# KiCad board ecpbreaker.kicad_pcb (continued)
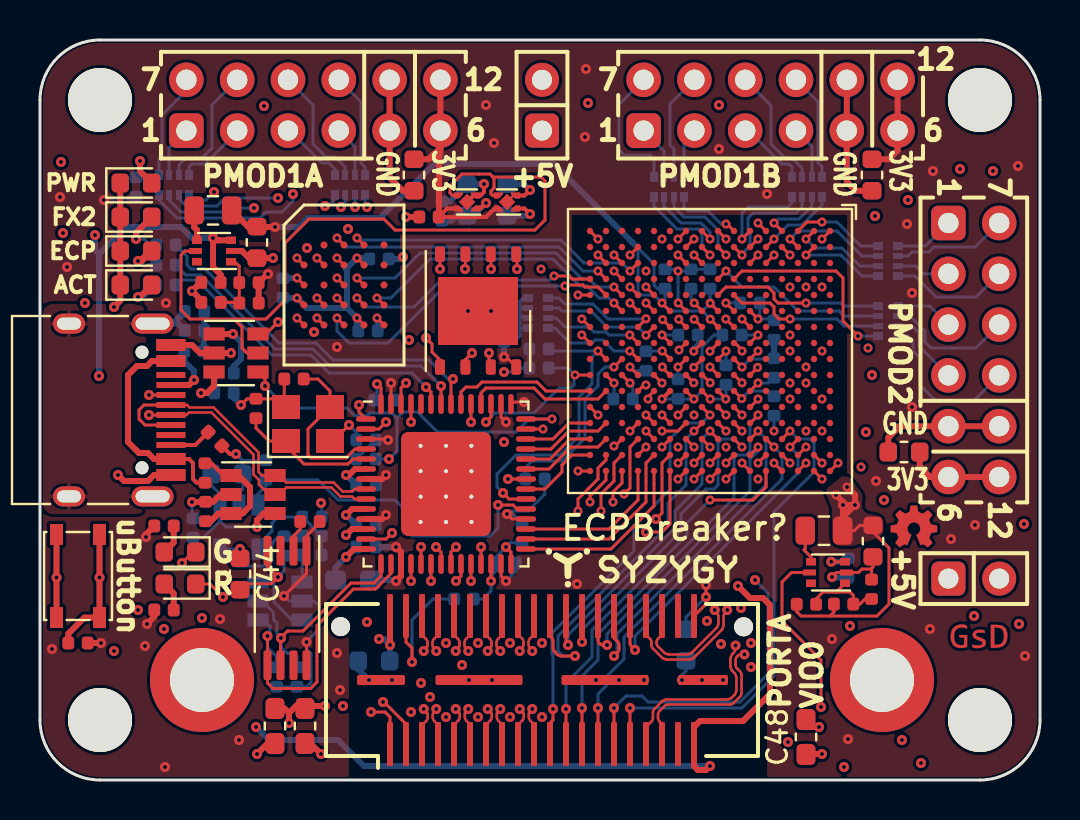
[diagram p0: board, top side]
## Routing (per net, layer and track width the routed paths; a pad name or vN(x,y) marks a point on that pad's centre or on a via; arc(x,y) is an arc through that point) (continued)
/RAM/HRAM_CLK#: length 19.3
  Top w0.15: U9.B1 v2(12.85,26.1) ; U8.N6 v2(29.5,23.85)
  In2.Cu w0.15: v2(12.85,26.1) 13.48,25.48 13.48,24.92 13.75,24.65 18,24.65 18.6,24.05 24.5,24.05 25.1,23.45 29.1,23.45 v2(29.5,23.85)
/RAM/HRAM_CS: length 14.8
  Top w0.15: U8.R4 v2(27.9,25.45) ; U9.A3 v2(14.85,27.1)
  Bottom w0.15: v2(14.85,27.1) 15.3,26.65 25.95,26.65 27.15,25.45 v2(27.9,25.45)
/RAM/HRAM_DQ0: length 16.5
  Top w0.15: U9.D3 v2(14.85,24.1) ; U8.P4 v2(28.7,25.45)
  In3.Cu w0.15: v2(28.7,25.45) 28.3,25.85 27.2,25.85 26.4,26.65 19.9,26.65 18.1,24.85 16.45,24.85 16.15,24.55 15.65,24.55 15.2,24.1 v2(14.85,24.1)
/RAM/HRAM_DQ1: length 16.9
  Top w0.15: U8.R3 v2(27.9,26.25) ; U9.D2 v2(13.85,24.1)
  In3.Cu w0.15: v2(13.85,24.1) 14.35,24.6 15.1,24.6 15.35,24.85 15.35,25.25 15.65,25.55 18.35,25.55 19.8,27 26.5,27 27.25,26.25 v2(27.9,26.25)
/RAM/HRAM_DQ2: length 15.1
  Top w0.15: U9.C4 v2(15.85,25.1) ; U8.P5 v2(28.7,24.65)
  Bottom w0.15: v2(28.7,24.65) 27.85,24.65 27.45,25.05 27.1,25.05 25.8,26.35 19,26.35 17.75,25.1 v2(15.85,25.1)
/RAM/HRAM_DQ3: length 13
  Top w0.15: U8.T4 26.6,25.05 26.45,25.2 v2(25.7,25.2) ; U9.D4 v2(15.85,24.1)
  Bottom w0.15: v2(25.7,25.2) 25.5,25 20.05,25 18.7,23.65 16.3,23.65 v2(15.85,24.1)
/RAM/HRAM_DQ4: length 14.6
  Top w0.15: U9.D5 v2(16.85,24.1) ; U8.P6 v2(28.7,23.85)
  Bottom w0.15: v2(28.7,23.85) 28.45,24.1 27.95,24.1 27.35,24.7 27,24.7 25.65,26.05 19.5,26.05 17.55,24.1 v2(16.85,24.1)
/RAM/HRAM_DQ5: length 16.3
  Top w0.15: U8.R5 27.9,24.65 27.25,24.65 27.15,24.75 26.3,24.75 v2(26.25,24.7) ; U9.E3 v2(14.85,23.1)
  Bottom w0.15: v2(14.85,23.1) 14.85,22.45 15.45,21.85 17.4,21.85 20.25,24.7 v2(26.25,24.7)
/RAM/HRAM_DQ6: length 19.9
  Top w0.15: U9.E2 v2(13.85,23.1) ; U8.M5 v2(30.3,24.65)
  In3.Cu w0.15: v2(13.85,23.1) 14.3,23.55 17.35,23.55 20.1,26.3 26.25,26.3 28.3,24.25 29.9,24.25 v2(30.3,24.65)
/RAM/HRAM_DQ7: length 20.3
  Top w0.15: U9.E1 v2(12.85,23.1) ; U8.M6 v2(30.3,23.85)
  In2.Cu w0.15: v2(12.85,23.1) 13.35,23.6 19.65,23.6 21.4,21.85 28.3,21.85 v2(30.3,23.85)
/RAM/HRAM_RST: length 15.4
  Top w0.15: U8.N3 v2(29.5,25.45) ; U9.A4 v2(15.85,27.1)
  Bottom w0.15: v2(29.5,25.45) 29.1,25.85 27.2,25.85 26.05,27 15.95,27 v2(15.85,27.1)
/RAM/HRAM_RWDS: length 16.6
  Top w0.15: U9.C3 v2(14.85,25.1) ; U8.P3 v2(28.7,26.25)
  In3.Cu w0.15: v2(28.7,26.25) 28.3,26.65 27.3,26.65 26.65,27.3 19.65,27.3 18.95,26.6 15.7,26.6 15.35,26.25 15.35,25.75 14.85,25.25 v2(14.85,25.1)
/RD: length 17.7
  Top w0.15: U2.1 15.95,18.4 v1(15.95,18.75) ; U8.M13 v2(30.3,18.25)
  In2.Cu w0.15: v1(15.95,18.75) 17.2,18.75 18.05,17.9 18.05,17.6 18.4,17.25 21.9,17.25 22.75,16.4 25.55,16.4 26.65,17.5 28.05,17.5 28.8,18.25 v2(30.3,18.25)
/SHLD: length 3.6
  Bottom w0.3: R28.1 6.63,22.82 J24.S1 6.9,22.82 C19.1
/SYZYGY/C2P_CLK_N: length 14.1
  Top w0.127: v1(33.74,8.5) 33.85,8.39 33.92,8.21 33.92,7.81 33.85,7.63 32.57,6.35 32.39,6.28 31.41,6.28 31.23,6.35 30.9,6.68 arc(30.85,6.76) 30.83,6.86 30.83,6.88 arc(30.85,6.98) 30.9,7.06 31.1,7.26
  Top w0.15: U8.J15 v2(32.7,15.85)
  In2.Cu w0.127: v2(32.7,15.85) 32.37,15.52 32.3,15.35 32.3,14.52 32.37,14.45 32.37,11.7 arc(32.39,11.61) 32.45,11.52 33.85,10.12 arc(33.9,10.04) 33.92,9.94 33.92,8.79 arc(33.9,8.69) 33.85,8.61 v1(33.74,8.5)
/SYZYGY/C2P_CLK_P: length 14
  Top w0.127: 30.3,7.26 30.5,7.06 arc(30.55,6.98) 30.57,6.88 30.57,6.75 arc(30.59,6.66) 30.65,6.57 31.12,6.1 31.3,6.02 32.5,6.02 32.68,6.1 34.1,7.52 34.18,7.7 34.18,8.21 34.25,8.39 v1(34.36,8.5)
  Top w0.15: U8.J16 v2(32.7,15.05)
  In2.Cu w0.127: v1(34.36,8.5) 34.25,8.61 arc(34.2,8.69) 34.18,8.79 34.18,10.05 arc(34.16,10.14) 34.1,10.23 32.7,11.63 arc(32.65,11.71) 32.63,11.81 32.63,14.45 32.7,14.52 v2(32.7,15.05)
/SYZYGY/D0_N: length 35.6
  Top w0.127: 19.91,1.8 19.91,2.65 arc(19.89,2.74) 19.84,2.82 19.71,2.95 arc(19.66,3.03) 19.64,3.13 19.64,3.26 arc(19.66,3.36) 19.71,3.44 19.83,3.55
  Top w0.15: U8.B15 v2(39.1,15.85)
  In2.Cu w0.127: v2(39.1,15.85) 38.7,15.45 38.7,14.52 38.77,14.45 38.77,4.66 38.7,4.48 36.47,2.25 36.29,2.18 31.8,2.18 31.62,2.1 31.32,1.8 31.14,1.73 20.56,1.73 20.38,1.8 19.7,2.48 19.63,2.66 19.63,3.26 19.7,3.44 v1(19.81,3.55)
/SYZYGY/D0_P: length 35.5
  Top w0.127: 19.2,3.55 19.31,3.44 arc(19.37,3.36) 19.38,3.26 19.38,3.13 arc(19.37,3.03) 19.31,2.95 19.18,2.82 arc(19.13,2.74) 19.11,2.65 19.11,1.8
  Top w0.15: U8.B16 v2(39.1,15.05)
  In2.Cu w0.127: v1(19.19,3.55) 19.3,3.44 arc(19.35,3.36) 19.37,3.26 19.37,2.55 arc(19.39,2.46) 19.45,2.37 20.27,1.55 arc(20.36,1.49) 20.45,1.47 31.25,1.47 arc(31.34,1.49) 31.43,1.55 31.73,1.85 arc(31.81,1.9) 31.91,1.92 36.4,1.92 arc(36.49,1.94) 36.58,2 38.95,4.37 arc(39.01,4.46) 39.03,4.55 39.03,14.45 39.1,14.52 v2(39.1,15.05)
/SYZYGY/D1_N: length 33.9
  Top w0.127: J1.8 19.9,7.35 arc(19.88,7.26) 19.83,7.18 19.7,7.05 arc(19.65,6.97) 19.63,6.87 19.63,6.74 arc(19.65,6.64) 19.7,6.56 v1(19.81,6.45)
  Top w0.15: U8.G15 v2(34.3,15.85)
  In2.Cu w0.127: v1(19.81,6.45) 19.7,6.34 arc(19.65,6.26) 19.63,6.16 19.63,5.71 arc(19.65,5.61) 19.7,5.53 20.63,4.6 arc(20.71,4.55) 20.81,4.53 30.55,4.53 arc(30.64,4.51) 30.73,4.45 31.33,3.85 arc(31.41,3.8) 31.51,3.78 35.44,3.78 arc(35.54,3.8) 35.62,3.85 37.05,5.28 arc(37.1,5.36) 37.12,5.46 37.12,10.69 arc(37.1,10.79) 37.05,10.87 34.85,13.07 arc(34.79,13.16) 34.77,13.25 34.77,14.85 34.7,14.92 34.7,15.35 arc(34.68,15.44) 34.63,15.52 v2(34.3,15.85)
/SYZYGY/D1_P: length 34.5
  Top w0.127: J1.6 19.1,7.35 arc(19.12,7.26) 19.17,7.18 19.3,7.05 arc(19.35,6.97) 19.37,6.87 19.37,6.74 arc(19.35,6.64) 19.3,6.56 v1(19.19,6.45)
  Top w0.15: U8.F16 v2(35.1,15.85)
  In2.Cu w0.127: v2(35.1,15.85) 35.1,14.92 35.03,14.85 35.03,13.36 arc(35.05,13.26) 35.1,13.18 37.3,10.98 arc(37.36,10.89) 37.38,10.8 37.38,5.35 arc(37.36,5.26) 37.3,5.17 35.73,3.6 arc(35.64,3.54) 35.55,3.52 31.4,3.52 arc(31.31,3.54) 31.22,3.6 30.62,4.2 arc(30.54,4.25) 30.44,4.27 20.7,4.27 arc(20.61,4.29) 20.52,4.35 19.45,5.42 arc(19.39,5.51) 19.37,5.6 19.37,6.16 arc(19.35,6.26) 19.3,6.34 v1(19.19,6.45)
/SYZYGY/D2_N: length 31.6
  Top w0.127: 21.51,1.82 21.51,2.67 arc(21.49,2.77) 21.44,2.85 21.31,2.97 arc(21.26,3.05) 21.24,3.15 21.24,3.28 arc(21.26,3.38) 21.31,3.46 21.43,3.57
  Top w0.15: U8.C15 v2(38.3,16.65)
  In3.Cu w0.127: v1(21.41,3.55) 21.3,3.44 arc(21.25,3.36) 21.23,3.26 21.23,2.96 arc(21.25,2.86) 21.3,2.78 21.33,2.75 arc(21.41,2.7) 21.51,2.68 33.49,2.68 arc(33.59,2.7) 33.67,2.75 36.25,5.33 arc(36.3,5.41) 36.32,5.51 36.32,12.4 arc(36.34,12.49) 36.4,12.58 37.9,14.08 arc(37.95,14.16) 37.97,14.26 37.97,14.75 37.9,14.82 37.9,16.15 arc(37.92,16.24) 37.97,16.32 v2(38.3,16.65)
/SYZYGY/D2_P: length 31.5
  Top w0.127: 20.71,1.82 20.71,2.67 arc(20.73,2.77) 20.79,2.85 20.91,2.97 arc(20.97,3.05) 20.99,3.15 20.99,3.28 arc(20.97,3.38) 20.91,3.46 20.8,3.57
  Top w0.15: U8.C16 v2(38.3,15.85)
  In3.Cu w0.127: v1(20.79,3.55) 20.9,3.44 arc(20.95,3.36) 20.97,3.26 20.97,2.85 arc(20.99,2.76) 21.05,2.67 21.22,2.5 arc(21.31,2.44) 21.4,2.42 33.6,2.42 arc(33.69,2.44) 33.78,2.5 36.5,5.22 arc(36.56,5.31) 36.58,5.4 36.58,12.29 arc(36.6,12.39) 36.65,12.47 38.15,13.97 arc(38.21,14.06) 38.23,14.15 38.23,14.75 38.3,14.82 v2(38.3,15.85)
/SYZYGY/D3_N: length 21.6
  Top w0.127: v1(21.41,6.45) 21.3,6.56 arc(21.25,6.64) 21.23,6.74 21.23,6.87 arc(21.25,6.97) 21.3,7.05 21.43,7.18 arc(21.48,7.26) 21.5,7.35 J1.12
  Top w0.15: 33.11,17.04 v2(33.5,16.65)
  In3.Cu w0.127: v2(33.5,16.65) 33.17,16.32 arc(33.12,16.24) 33.1,16.15 33.1,14.93 arc(33.08,14.83) 33.03,14.75 32.9,14.62 arc(32.85,14.54) 32.83,14.45 32.83,13.1 arc(32.81,13.01) 32.75,12.92 31.03,11.2 arc(30.94,11.14) 30.85,11.12 25.96,11.12 arc(25.86,11.1) 25.78,11.05 23.33,8.6 arc(23.24,8.54) 23.15,8.52 21.86,8.52 arc(21.76,8.5) 21.68,8.45 21.3,8.07 arc(21.25,7.99) 21.23,7.89 21.23,6.74 arc(21.25,6.64) 21.3,6.56 v1(21.41,6.45)
/SYZYGY/D3_P: length 21.6
  Top w0.127: v1(20.79,6.45) 20.9,6.56 arc(20.95,6.64) 20.97,6.74 20.97,6.87 arc(20.95,6.97) 20.9,7.05 20.77,7.18 arc(20.72,7.26) 20.7,7.35 J1.10
  Top w0.15: 32.31,17.04 v2(32.7,16.65)
  In3.Cu w0.127: v2(32.7,16.65) 32.37,16.32 arc(32.32,16.24) 32.3,16.15 32.3,14.93 arc(32.32,14.83) 32.37,14.75 32.5,14.62 arc(32.55,14.54) 32.57,14.45 32.57,13.21 arc(32.55,13.11) 32.5,13.03 30.92,11.45 arc(30.84,11.4) 30.74,11.38 25.85,11.38 arc(25.76,11.36) 25.67,11.3 23.22,8.85 arc(23.14,8.8) 23.04,8.78 21.75,8.78 arc(21.66,8.76) 21.57,8.7 21.05,8.18 arc(20.99,8.09) 20.97,8 20.97,6.74 arc(20.95,6.64) 20.9,6.56 v1(20.79,6.45)
/SYZYGY/D4_N: length 31
  Top w0.127: 23.03,3.57 22.91,3.46 arc(22.86,3.38) 22.84,3.28 22.84,3.15 arc(22.86,3.05) 22.91,2.97 23.04,2.85 arc(23.09,2.77) 23.11,2.67 23.11,1.82
  Top w0.15: U8.E15 v2(35.9,15.85)
  In2.Cu w0.127: v1(23.01,3.55) 22.9,3.44 arc(22.85,3.36) 22.83,3.26 22.83,3.01 arc(22.85,2.91) 22.9,2.83 23.13,2.6 arc(23.21,2.55) 23.31,2.53 30.69,2.53 arc(30.79,2.55) 30.87,2.6 31.17,2.9 arc(31.26,2.96) 31.35,2.98 35.84,2.98 arc(35.94,3) 36.02,3.05 37.8,4.83 arc(37.85,4.91) 37.87,5.01 37.87,11.24 arc(37.85,11.34) 37.8,11.42 36.45,12.77 arc(36.39,12.86) 36.37,12.95 36.37,14.85 36.3,14.92 36.3,15.35 arc(36.28,15.44) 36.23,15.52 v2(35.9,15.85)
/SYZYGY/D4_P: length 31.7
  Top w0.127: 22.31,1.82 22.31,2.67 arc(22.33,2.77) 22.39,2.85 22.51,2.97 arc(22.57,3.05) 22.59,3.15 22.59,3.28 arc(22.57,3.38) 22.51,3.46 22.4,3.57
  Top w0.15: U8.D16 v2(36.7,15.85)
  In2.Cu w0.127: v2(36.7,15.85) 36.7,14.92 36.63,14.85 36.63,13.06 arc(36.65,12.96) 36.7,12.88 38.05,11.53 arc(38.11,11.44) 38.13,11.35 38.13,4.9 arc(38.11,4.81) 38.05,4.72 36.13,2.8 arc(36.04,2.74) 35.95,2.72 31.46,2.72 arc(31.36,2.7) 31.28,2.65 30.98,2.35 arc(30.89,2.29) 30.8,2.27 23.2,2.27 arc(23.11,2.29) 23.02,2.35 22.65,2.72 arc(22.59,2.81) 22.57,2.9 22.57,3.26 arc(22.55,3.36) 22.5,3.44 v1(22.39,3.55)
/SYZYGY/D5_N: length 28.9
  Top w0.127: J1.16 23.1,7.35 arc(23.08,7.26) 23.03,7.18 22.9,7.05 arc(22.85,6.97) 22.83,6.87 22.83,6.74 arc(22.85,6.64) 22.9,6.56 v1(23.01,6.45)
  Top w0.15: U8.H15 v2(33.5,15.85)
  In2.Cu w0.127: v2(33.5,15.85) 33.83,15.52 arc(33.88,15.44) 33.9,15.35 33.9,14.52 33.97,14.45 33.97,12.75 arc(33.99,12.66) 34.05,12.57 36.25,10.37 arc(36.3,10.29) 36.32,10.19 36.32,5.66 arc(36.3,5.56) 36.25,5.48 35.32,4.55 arc(35.24,4.5) 35.14,4.48 32.01,4.48 arc(31.91,4.5) 31.83,4.55 30.73,5.65 arc(30.64,5.71) 30.55,5.73 23.21,5.73 arc(23.11,5.75) 23.03,5.8 22.9,5.93 arc(22.85,6.01) 22.83,6.11 22.83,6.16 arc(22.85,6.26) 22.9,6.34 v1(23.01,6.45)
/SYZYGY/D5_P: length 28.8
  Top w0.127: J1.14 22.3,7.35 arc(22.32,7.26) 22.37,7.18 22.5,7.05 arc(22.55,6.97) 22.57,6.87 22.57,6.74 arc(22.55,6.64) 22.5,6.56 v1(22.39,6.45)
  Top w0.15: U8.G16 v2(34.3,15.05)
  In2.Cu w0.127: v1(22.39,6.45) 22.5,6.34 arc(22.55,6.26) 22.57,6.16 22.57,6 arc(22.59,5.91) 22.65,5.82 22.92,5.55 arc(23.01,5.49) 23.1,5.47 30.44,5.47 arc(30.54,5.45) 30.62,5.4 31.72,4.3 arc(31.81,4.24) 31.9,4.22 35.25,4.22 arc(35.34,4.24) 35.43,4.3 36.5,5.37 arc(36.56,5.46) 36.58,5.55 36.58,10.3 arc(36.56,10.39) 36.5,10.48 34.3,12.68 arc(34.25,12.76) 34.23,12.86 34.23,14.45 34.3,14.52 v2(34.3,15.05)
/SYZYGY/D6_N: length 25
  Top w0.127: 24.71,1.82 24.71,2.67 arc(24.69,2.77) 24.64,2.85 24.51,2.97 arc(24.46,3.05) 24.44,3.15 24.44,3.28 arc(24.46,3.38) 24.51,3.46 24.63,3.57
  Top w0.15: 34.71,18.64 v2(35.1,18.25)
  In3.Cu w0.127: v1(24.61,3.55) 24.5,3.66 arc(24.45,3.74) 24.43,3.84 24.43,4.09 arc(24.45,4.19) 24.5,4.27 25.75,5.52 arc(25.81,5.61) 25.83,5.7 25.83,6.99 arc(25.85,7.09) 25.9,7.17 26.68,7.95 arc(26.76,8) 26.86,8.02 30.55,8.02 arc(30.64,8.04) 30.73,8.1 35.95,13.32 arc(36.01,13.41) 36.03,13.5 36.03,14.45 arc(36.05,14.54) 36.1,14.62 36.23,14.75 arc(36.28,14.83) 36.3,14.93 36.3,16.75 arc(36.28,16.84) 36.23,16.92 36.17,16.98 arc(36.09,17.03) 36,17.05 35.8,17.05 arc(35.71,17.07) 35.63,17.12 35.57,17.18 arc(35.52,17.26) 35.5,17.35 35.5,17.75 arc(35.48,17.84) 35.43,17.92 v2(35.1,18.25)
/SYZYGY/D6_P: length 23.7
  Top w0.127: 23.91,1.82 23.91,2.67 arc(23.93,2.77) 23.99,2.85 24.11,2.97 arc(24.17,3.05) 24.19,3.15 24.19,3.28 arc(24.17,3.38) 24.11,3.46 24,3.57
  Top w0.15: 34.71,17.84 v2(35.1,17.45)
  In3.Cu w0.127: v1(23.99,3.55) 24.1,3.66 arc(24.15,3.74) 24.17,3.84 24.17,4.2 arc(24.19,4.29) 24.25,4.38 25.5,5.63 arc(25.55,5.71) 25.57,5.81 25.57,7.1 arc(25.59,7.19) 25.65,7.28 26.57,8.2 arc(26.66,8.26) 26.75,8.28 30.44,8.28 arc(30.54,8.3) 30.62,8.35 35.7,13.43 arc(35.75,13.51) 35.77,13.61 35.77,14.45 arc(35.75,14.54) 35.7,14.62 35.57,14.75 arc(35.52,14.83) 35.5,14.93 35.5,16.75 arc(35.48,16.84) 35.43,16.92 35.17,17.18 arc(35.12,17.26) 35.1,17.35 v2(35.1,17.45)
/SYZYGY/D7_N: length 21.6
  Top w0.127: 24.62,6.47 24.5,6.59 arc(24.45,6.67) 24.43,6.76 24.43,6.9 arc(24.45,6.99) 24.5,7.07 24.63,7.2 arc(24.68,7.28) 24.7,7.38 24.7,8.22
  Top w0.15: 33.91,18.64 v2(34.3,18.25)
  In3.Cu w0.127: v2(34.3,18.25) 34.3,18.15 arc(34.32,18.06) 34.37,17.98 34.63,17.72 arc(34.68,17.64) 34.7,17.55 34.7,14.93 arc(34.68,14.83) 34.63,14.75 34.5,14.62 arc(34.45,14.54) 34.43,14.45 34.43,13.3 arc(34.41,13.21) 34.35,13.12 31.63,10.4 arc(31.54,10.34) 31.45,10.32 26.66,10.32 arc(26.56,10.3) 26.48,10.25 24.5,8.27 arc(24.45,8.19) 24.43,8.09 24.43,6.74 arc(24.45,6.64) 24.5,6.56 v1(24.61,6.45)
/SYZYGY/D7_P: length 20.8
  Top w0.127: 23.9,8.22 23.9,7.38 arc(23.92,7.28) 23.98,7.2 24.1,7.07 arc(24.16,6.99) 24.17,6.9 24.17,6.76 arc(24.16,6.67) 24.1,6.59 23.99,6.47
  Top w0.15: 33.91,17.84 v2(34.3,17.45)
  In3.Cu w0.127: v1(23.99,6.45) 24.1,6.56 arc(24.15,6.64) 24.17,6.74 24.17,8.2 arc(24.19,8.29) 24.25,8.38 26.37,10.5 arc(26.46,10.56) 26.55,10.58 31.34,10.58 arc(31.44,10.6) 31.52,10.65 34.1,13.23 arc(34.15,13.31) 34.17,13.41 34.17,14.45 arc(34.15,14.54) 34.1,14.62 33.97,14.75 arc(33.92,14.83) 33.9,14.93 33.9,16.75 arc(33.92,16.84) 33.97,16.92 34.23,17.18 arc(34.28,17.26) 34.3,17.35 v2(34.3,17.45)
/SYZYGY/P2C_CLK_N: length 21.7
  Top w0.127: J1.35 31.1,2.8 30.97,2.93 arc(30.92,3.01) 30.9,3.11 30.9,3.27 arc(30.92,3.36) 30.97,3.44 31.23,3.7 arc(31.31,3.75) 31.41,3.77 34.5,3.77 arc(34.59,3.79) 34.68,3.85 35,4.17 arc(35.06,4.26) 35.08,4.35 35.08,5.25 arc(35.06,5.34) 35,5.43 34.85,5.58 arc(34.8,5.66) 34.78,5.76 34.78,5.99 arc(34.8,6.09) 34.85,6.17 34.88,6.21 arc(34.97,6.26) 35.06,6.28 v1(35.22,6.28)
  Top w0.15: U8.K15 v2(31.9,15.85)
  In2.Cu w0.127: v2(31.9,15.85) 31.57,15.52 arc(31.52,15.44) 31.5,15.35 31.5,14.52 31.57,14.45 31.57,8.2 arc(31.59,8.11) 31.65,8.02 33.57,6.1 arc(33.66,6.04) 33.75,6.02 34.6,6.02 arc(34.69,6.04) 34.78,6.1 34.88,6.21 arc(34.97,6.26) 35.06,6.28 v1(35.22,6.28)
/SYZYGY/P2C_CLK_P: length 20.3
  Top w0.127: J1.33 30.3,2.65 30.57,2.92 arc(30.63,3) 30.65,3.1 30.65,3.37 arc(30.67,3.47) 30.72,3.55 31.12,3.95 31.3,4.03 34.39,4.03 34.57,4.1 34.75,4.28 34.82,4.46 34.82,5.14 34.75,5.32 34.6,5.47 34.52,5.65 34.52,6.1 34.6,6.28 34.71,6.38 34.78,6.56 v1(34.78,6.72)
  Top w0.15: U8.K16 v2(31.9,15.05)
  In2.Cu w0.127: v2(31.9,15.05) 31.9,14.52 31.83,14.45 31.83,8.31 arc(31.85,8.21) 31.9,8.13 33.68,6.35 arc(33.76,6.3) 33.86,6.28 34.49,6.28 arc(34.59,6.3) 34.67,6.35 34.71,6.38 arc(34.76,6.47) 34.78,6.56 v1(34.78,6.72)
/SYZYGY/R_GA: length 7.1
  Top w0.15: J1.4 18.3,6.9 18.6,6.6 v1(18.6,5.9)
  Bottom w0.15: v1(18.6,5.9) 18.6,8 19.65,9.05 R35.1
/SYZYGY/S16: length 20.8
  Top w0.15: 33.11,18.64 v2(33.5,18.25) ; v1(25.65,3.55) 25.65,3 25.5,2.85 J1.21
  Bottom w0.15: v1(25.65,3.55) 25.65,6.25 25.6,6.3 25.6,7.35 29.69,11.44 29.69,12.71 31.5,14.52 31.5,17.05 32.3,17.85 33.1,17.85 v2(33.5,18.25)
/SYZYGY/S17: length 18.3
  Top w0.15: 33.11,17.84 32.72,17.45 v2(32.7,17.45) ; J1.22 25.5,7.3 arc(25.52,7.21) 25.57,7.13 25.58,7.12 arc(25.63,7.04) 25.65,6.95 25.65,6.6 arc(25.67,6.51) 25.72,6.43 25.88,6.27 arc(25.96,6.22) 26.05,6.2 v1(26.75,6.2)
  Bottom w0.15: v2(32.7,17.45) 32.3,17.05 32.3,14.75 31.4,13.85 31.4,12.7 25.9,7.2 25.9,6.45 26.15,6.2 v1(26.75,6.2)
/SYZYGY/S18: length 19.1
  Top w0.15: J1.23 v1(26.3,3.55) ; U8.E16 36.3,14.65 35.65,14 v2(33.5,14)
  Bottom w0.15: v1(26.3,3.55) 26.3,4.85 27.6,6.15 27.6,7.5 32.35,12.25 32.35,12.85 v2(33.5,14)
/SYZYGY/S19: length 15.7
  Top w0.15: 33.91,17.04 v2(33.5,17.45) ; J1.24 26.3,6.95 arc(26.32,6.86) 26.37,6.78 v1(26.4,6.75)
  Bottom w0.15: v2(33.5,17.45) 33.1,17.05 33.1,14.8 31.75,13.45 31.75,12.6 26.4,7.25 v1(26.4,6.75)
/SYZYGY/S20: length 20.9
  Top w0.15: 35.51,17.84 35.9,18.23 v2(35.9,18.25) ; J1.25 v1(27.1,3.6)
  Bottom w0.15: v2(35.9,18.25) U8.F13 35.5,16.45 35.3,16.25 34.85,16.25 34.7,16.1 34.7,14.1 27.9,7.3 27.9,6 27.1,5.2 v1(27.1,3.6)
/SYZYGY/S21: length 16.3
  Top w0.15: 34.71,17.04 v2(35.1,16.65) ; J1.26 v1(27.1,6.9)
  Bottom w0.15: v2(35.1,16.65) U8.G14 34.1,17.05 33.9,16.85 33.9,14.75 33.7,14.55 33.3,14.55 32.05,13.3 32.05,12.45 27.1,7.5 v1(27.1,6.9)
/SYZYGY/S22: length 19.4
  Top w0.15: U8.E14 v2(36.7,16.65) ; J1.27 v1(27.9,3.6)
  Bottom w0.15: v2(36.7,16.65) 37.1,16.25 37.1,15.05 29.2,7.15 29.2,6.05 28.4,5.25 28.4,4.8 27.9,4.3 v1(27.9,3.6)
/SYZYGY/S23: length 15.4
  Top w0.15: U8.F15 v2(35.9,16.65) ; v1(28.35,6.75) 28.15,6.75 arc(28.06,6.77) 27.98,6.82 27.97,6.83 arc(27.92,6.91) 27.9,7 J1.28
  Bottom w0.15: v2(35.9,16.65) 35.9,16.45 35.5,16.05 35.5,14.45 28.35,7.3 v1(28.35,6.75)
/SYZYGY/S24: length 26.3
  Top w0.15: v2(35.9,19.05) 35.9,19.03 35.51,18.64 ; J1.29 v1(28.7,3.6)
  In3.Cu w0.15: v2(35.9,19.05) 36.23,18.72 arc(36.28,18.64) 36.3,18.55 36.3,17.35 arc(36.32,17.26) 36.37,17.18 36.43,17.12 arc(36.51,17.07) 36.6,17.05 36.9,17.05 37.03,16.92 arc(37.08,16.84) 37.1,16.75 37.1,13.95 arc(37.08,13.86) 37.03,13.78 35.82,12.57 arc(35.77,12.49) 35.75,12.4 v1(35.75,10)
  Bottom w0.15: v1(35.75,10) 36.4,9.35 36.4,5.3 35,3.9 30.4,3.9 30.1,4.2 29.3,4.2 v1(28.7,3.6)
/SYZYGY/S25: length 17.3
  Top w0.15: J1.30 28.7,7.1 28.88,6.92 arc(28.93,6.84) 28.95,6.75 28.95,6.55 arc(28.93,6.46) 28.88,6.38 v1(28.7,6.2) ; 35.51,17.04 35.9,17.43 v2(35.9,17.45)
  Bottom w0.15: v2(35.9,17.45) 36.3,17.05 36.3,14.75 28.85,7.3 28.85,6.35 v1(28.7,6.2)
/SYZYGY/S26: length 24.2
  Top w0.15: U8.D14 v2(37.5,17.45) ; J1.31 v1(29.5,3.6)
  Bottom w0.15: v2(37.5,17.45) 37.9,17.05 38.5,17.05 38.7,16.85 38.7,15.4 36.7,13.4 36.7,5.2 35.1,3.6 v1(29.5,3.6)
/SYZYGY/S27: length 16.1
  Top w0.15: U8.C14 v2(37.5,16.65) ; v1(29.75,6.5) 29.57,6.68 arc(29.52,6.76) 29.5,6.85 J1.32
  Bottom w0.15: v1(29.75,6.5) 29.75,7.2 37.9,15.35 37.9,16.25 v2(37.5,16.65)
/SYZYGY/VIO1: length 67.4
  Top w0.15: U8.J11 33.5,19.05 v2(33.51,19.05) ; 10,10.78 v1(10,11.55) ; v2(34.29,19.05) 34.29,19.06 U8.H11
  Top w0.3: v1(33.5,0.7) 33.3,0.5 32.9,0.5 32.7,0.7 J1.39 32.7,2.65 33,2.95 35.15,2.95 36.5,4.3 36.5,8.75 36.15,9.1 35.5,9.1 v1(34.9,9.7)
  In2.Cu w0.15: 33.35,13.25 33.1,13.5 33.1,18.64 v2(33.51,19.05)
  In2.Cu w0.3: 33.35,13.25 33.35,12.15 34.9,10.6 v1(34.9,9.7)
  In3.Cu w0.3: v1(10.8,2.65) 10.8,3.3 11.35,3.85 11.35,6.15 10,7.5 v1(10,11.55)
  Bottom w0.15: C8.1 34.3,19.06 v2(34.29,19.05) v2(33.51,19.05) ; R33.2 12.22,12.2 C45.1 11.94,12.19 11.6,11.85 11.6,10.95 11.35,10.7 9.85,10.7 U13.5 v1(10,11.55)
  Bottom w0.3: v2(34.29,19.05) 34.29,19.06 34.28,19.07 ; v2(33.51,19.05) 33.5,19.06 ; v1(33.5,0.7) 16.2,0.7 14.9,2 11.45,2 v1(10.8,2.65)
/USB_N: length 15.8
  Top w0.127: U2.9 15.73,14.05 15.6,14.17 15.02,14.17 14.57,14.62 12.32,14.62 11.98,14.27 U1.5 11.45,14.27 10.95,14.77 10.95,15 10.67,15.28 10.67,16.27 8.57,18.37 7.45,18.37 7.33,18.25 J24.A7
  Top w0.15: J24.B7 v1(5.45,19.25) ; J24.A7 v1(5.45,18.25)
  In2.Cu w0.15: v1(5.45,19.25) v1(5.45,18.25)
/USB_P: length 16
  Top w0.127: U2.8 15.73,14.55 15.6,14.43 15.13,14.43 14.68,14.88 12.3,14.88 11.95,15.23 U1.6 11.1,15.23 10.93,15.4 10.93,16.38 8.68,18.63 7.48,18.63 7.35,18.75 J24.A6
  Top w0.15: J24.A6 5.2,18.75 4.95,18.5 4.95,18.05 5.25,17.75 J24.B6
/VUSB: length 6.2
  Top w0.2: FB1.2 8.56,15.84 9.17,15.23 U1.1
  Top w0.3: U1.1 9.92,15.23 10.5,14.65 10.5,13.7 10.12,13.33 U1.3 8.92,13.33 8.54,12.94 C18.1
/WR: length 17.4
  Top w0.15: v1(17.3,17.9) 16.95,17.55 U2.2 ; U8.L13 v2(31.1,18.25)
  In2.Cu w0.15: v2(31.1,18.25) 30.7,17.85 28.9,17.85 28.25,17.2 26.95,17.2 25.8,16.05 18.75,16.05 18.4,16.4 18.4,16.8 v1(17.3,17.9)
/XTALIN: length 7
  Top w0.15: C17.1 10.8,17.6 11.45,16.95 Y1.1 12.3,16.7 13.2,15.8 15.4,15.8 15.65,16.05 U2.5
/XTALOUT: length 8.4
  Top w0.15: U2.4 15.75,16.55 15.3,16.1 13.55,16.1 13.4,16.25 13.4,17.55 Y1.3 14.5,19.45 13.9,20.05 C16.1
/~{BUTTON}: length 42.9
  Top w0.15: U8.K12 v2(31.9,18.25)
  Top w0.3: SW1.1 v1(2.98,10.12) SW1.1 2.23,8.12 1.41,7.31 R13.1
  In2.Cu w0.15: v1(2.98,10.12) 4.27,10.12 5.75,8.65 9.2,8.65 10.1,7.75 13.9,7.75 14.8,8.65 23.95,8.65 27.6,12.3 28.55,12.3 30.2,13.95 30.2,14.75 31.5,16.05 31.5,17.25 31.9,17.65 v2(31.9,18.25)
/~{CY_RESET}: length 20.9
  Top w0.15: U10.4 11.25,20.05 v1(11.25,19.7) ; v2(25.6,18.05) U2.42
  Bottom w0.15: R9.1 v1(17.45,16.05) 17.85,16.45 17.85,18.1 ; 17.85,18.1 17.6,18.35 16.5,18.35 16.38,18.23 15.73,18.23 15.35,18.6 12.35,18.6 v1(11.25,19.7) ; 17.85,18.1 18.15,18.4 18.88,18.4 19.88,17.4 23.8,17.4 24.45,18.05 v2(25.6,18.05)
/~{LEDG}: length 29.2
  Top w0.15: D4.1 7.65,11.4 v1(7.1,10.85) ; U8.P14 28.75,16.7 v2(28.7,16.7)
  In2.Cu w0.15: v1(7.1,10.85) 8.7,10.85 9.67,9.88 9.67,9.23 10.4,8.5 13.7,8.5 14.45,9.25 15.8,9.25 17.45,10.9 18.2,10.9 18.45,11.15 18.45,11.85 18.7,12.1 21.4,12.1 21.75,12.45 24.45,12.45 25.35,13.35 25.35,15.1 26.45,16.2 28.2,16.2 v2(28.7,16.7)
/~{LEDR}: length 28.8
  Top w0.15: D5.1 8.5,9.8 v1(9.15,9.15) ; U8.N13 v2(29.5,17.45)
  In2.Cu w0.15: v1(9.15,9.15) 10.2,8.1 13.85,8.1 14.7,8.95 16,8.95 17.62,10.58 18.38,10.58 19,11.2 21.35,11.2 21.55,11.4 21.55,11.8 21.85,12.1 24.6,12.1 25.7,13.2 25.7,15 26.55,15.85 28.95,15.85 29.5,16.4 v2(29.5,17.45)
FPGA_DONE: length 10.9
  Top w0.15: U8.P9 v2(28.7,20.65) ; U2.36 v1(23.4,15.05)
  Bottom w0.15: v1(23.4,15.05) R29.2 24.27,15.62 24.6,15.95 26.1,15.95 27.25,17.1 27.25,19.05 27.9,19.7 27.9,20.3 28.25,20.65 v2(28.7,20.65)
SCL: length 54.4
  Top w0.15: v2(30.3,19.75) 30.2,19.75 U8.N11 ; U2.15 17.05,10.2 16.7,9.85 15.55,9.85 13.15,7.45 12.38,7.45 12.02,7.1 U7.6 ; v1(16.55,3.4) 17.25,3.4 17.5,3.15 J1.1
  In2.Cu w0.15: v1(16.55,3.4) 16.2,3.05 13.9,3.05 12.05,4.9 v1(12.05,7.1)
  In3.Cu w0.15: v1(12.05,7.1) 12.2,7.1 13,7.9 13,18.15 16.25,21.4 20.7,21.4 22.15,19.95 25.55,19.95 26.1,19.4 29.95,19.4 v2(30.3,19.75)
  Bottom w0.15: R25.1 12.85,6.17 12.7,6.33 12.38,6.33 12.05,6.65 v1(12.05,7.1) 11.85,7.3 11.85,7.85 11.67,8.02 11.67,8.38 11.1,8.95 U12.5
SDA: length 61.4
  Top w0.15: v1(17.15,3.9) 17.2,3.9 18.3,2.8 J1.3 ; U8.M11 30.4,19.15 v2(30.4,19.05) ; v1(11.38,7.2) U7.5 11.38,4.85 11.65,4.58 13.52,4.58 13.85,4.9 13.85,7.73 15.67,9.55 16.77,9.55 17.55,10.33 U2.16
  In2.Cu w0.15: v1(17.15,3.9) 17.15,3.15 16.75,2.75 13.7,2.75 11.7,4.75 11.7,6.6 11.38,6.92 v1(11.38,7.2)
  In3.Cu w0.15: v2(30.4,19.05) 25.95,19.05 25.35,19.65 21.95,19.65 20.55,21.05 16.45,21.05 13.35,17.95 13.35,7.7 12.25,6.6 11.55,6.6 11.38,6.77 v1(11.38,7.2)
  Bottom w0.15: U12.4 11.2,8 11.5,7.7 11.5,7.33 v1(11.38,7.2) 11.38,6.62 11.83,6.17 R12.1
VIO_EN: length 17.6
  Top w0.15: U2.33 23.85,13.55 23.65,13.75 v1(22.9,13.75)
  Bottom w0.15: v1(22.9,13.75) 22.9,12.6 22.5,12.2 18.6,12.2 18.2,12.6 18.2,13.55 17.75,14 14.9,14 13.88,15.02 R32.2 11.3,14.7 10.9,14.3 U13.3
~{FPGA_RESET}: length 15
  Top w0.15: U2.34 23.45,14.05 v1(23.15,14.35) ; v2(27.9,21.45) U8.R9
  Bottom w0.15: R19.2 25.53,21.45 v2(27.9,21.45) 27.6,21.15 27.6,19.8 26.95,19.15 26.95,17.2 26,16.25 23.8,16.25 22.85,15.3 22.85,14.65 v1(23.15,14.35)
Net-(C26-Pad2): length 3.2
  Top w0.15: 9.03,23.88 9.96,23.88 R10.1 9.96,25.69 9.74,25.91 U4.1
Net-(C27-Pad2): length 4.4
  Top w0.15: U5.1 39.81,9.4 39.8,9.4 ; R26.2 41.25,9.05 41,8.8 C27.2 40.67,9.23 40.5,9.4 39.8,9.4 ; 39.8,9.4 39.15,9.4 38.8,9.05 R24.1
Net-(D1-Pad2): length 3.6
  Top w0.15: 5.67,29.85 5,30.52 v1(5,30.95)
  Top w0.3: D1.2 5,30.44 v1(5,30.95)
  Bottom w0.15: R1.2 5,30.34 v1(5,30.95)
Net-(D2-Pad2): length 4
  Top w0.15: v1(4.8,27.05) 4.8,27.27 5.67,28.15
  Top w0.3: D2.2 4.8,27.36 v1(4.8,27.05)
  Bottom w0.15: v1(4.8,27.05) 5.2,27.05 5.5,26.75 R2.2
Net-(D3-Pad2): length 2.9
  Top w0.15: 5.67,26.45 5.4,26.45 v1(4.9,25.95)
  Top w0.3: v1(4.9,25.95) 5.09,25.95 D3.2
  Bottom w0.15: R5.2 5.1,25.75 v1(4.9,25.95)
Net-(D4-Pad2): length 1.5
  Top w0.3: D4.2 6.69,11.87 R14.1
Net-(D5-Pad2): length 1.5
  Top w0.3: R15.1 6.69,9.33 D5.2
Net-(D6-Pad2): length 3.1
  Top w0.15: v1(4.9,24.15) 5.08,24.15 5.67,24.75
  Top w0.3: D6.2 4.99,24.15 v1(4.9,24.15)
  Bottom w0.15: R6.2 5.22,24.15 v1(4.9,24.15)
Net-(FB1-Pad1): length 10.9
  Top w0.2: FB1.1 7.84,14.87 7.65,15.05 7.65,15.85 7.45,16.05 J24.A9
  Top w0.3: J24.A9 5.7,16.05 5.4,16.35 4.95,16.35 4.4,16.9 4.4,20.25 4.85,20.7 5.35,20.7 5.6,20.95 J24.A4
Net-(J24-PadA5): length 2.9
  Top w0.3: J24.A5 7.45,19.75 v1(7.7,20)
  Bottom w0.3: v1(7.7,20) 7.7,20.45 7.22,20.94 R21.2
Net-(J24-PadB5): length 2.1
  Top w0.2: R22.2 7.76,16.75 J24.B5
Net-(L3-Pad1): length 1.6
  Top w0.3: U4.4 7.85,27.5 7.71,27.64 L3.1
Net-(L4-Pad1): length 1.7
  Top w0.15: U5.4 38.55,11.15 38.2,11.5 38.26,11.56 L4.1
Net-(R8-Pad2): length 1.4
  Bottom w0.15: U12.1 13.12,9.91 R8.2
Net-(R27-Pad1): length 1.6
  Top w0.15: R27.1 13.02,12.54 12.67,12.2 U7.2
Net-(R33-Pad1): length 5.5
  Bottom w0.15: R8.1 R33.1 13.13,13.15 R34.2 11.9,13.15 11.6,12.85 11.6,12.45 10.9,11.75 U13.4

## Copper pours and planes (outline as drawn; the poured copper is in the pictures)
+1V1 on Top: 41.15,14.25 41.05,13.35 42.15,13.2 42.2,12.2 40.65,11.7 39.6,11.7 39.6,13.6 39.2,14.55 40.3,15.4
+1V1 on In2.Cu, In3.Cu: 23.7,28.85 42.7,28.85 42.7,14.85 43.7,12.85 43.7,6.85 30.7,6.85 23.7,12.85
+3V3 on Top, Bottom: 0,37 50,37 50,0 0,0
+3V3 on In2.Cu, In3.Cu: 0,37 50,37 50,0 0,0
+5V on Bottom: 9.1,14.75 9.45,14.25 9.45,12.95 11.15,12.95 11.15,12.35 10.1,12.35 9.95,12.25 8.65,12.25 8.1,11.7 7.3,11.7 7.3,12.45 8,12.45 8.4,12.9 8.4,14.3 7.95,14.75 7.95,15.85 9.1,15.85
GND on In1.Cu, In4.Cu: 0,37 50,37 50,0 0,0
/SHLD on Top: 0,13.3 5.3,13.3 5.3,23.8 0,23.8
/SYZYGY/VIO1 on Bottom: 10.25,11.9 10.35,10.95 9.95,10.6 8.6,10.9 8.6,12.15 9.35,12.15

## Text on the board
B.Silkscreen: GsD (C) 2020 / CC-BY-SA 4.0 | GND | 3V3 | 7 | 1 | PMOD1A | 6 | 12 | +5V | PMOD1B | PMOD2 | ECPBreaker?
F.Silkscreen: GND | 3V3 | PWR | ECP | FX2 | ACT | 7 | 1 | G | R | PMOD1A | 6 | 12 | +5V | PMOD1B | PORTA / VIO0 | uButton | PMOD2 | ECPBreaker?
